# KiCad board SevenSegment.kicad_pcb
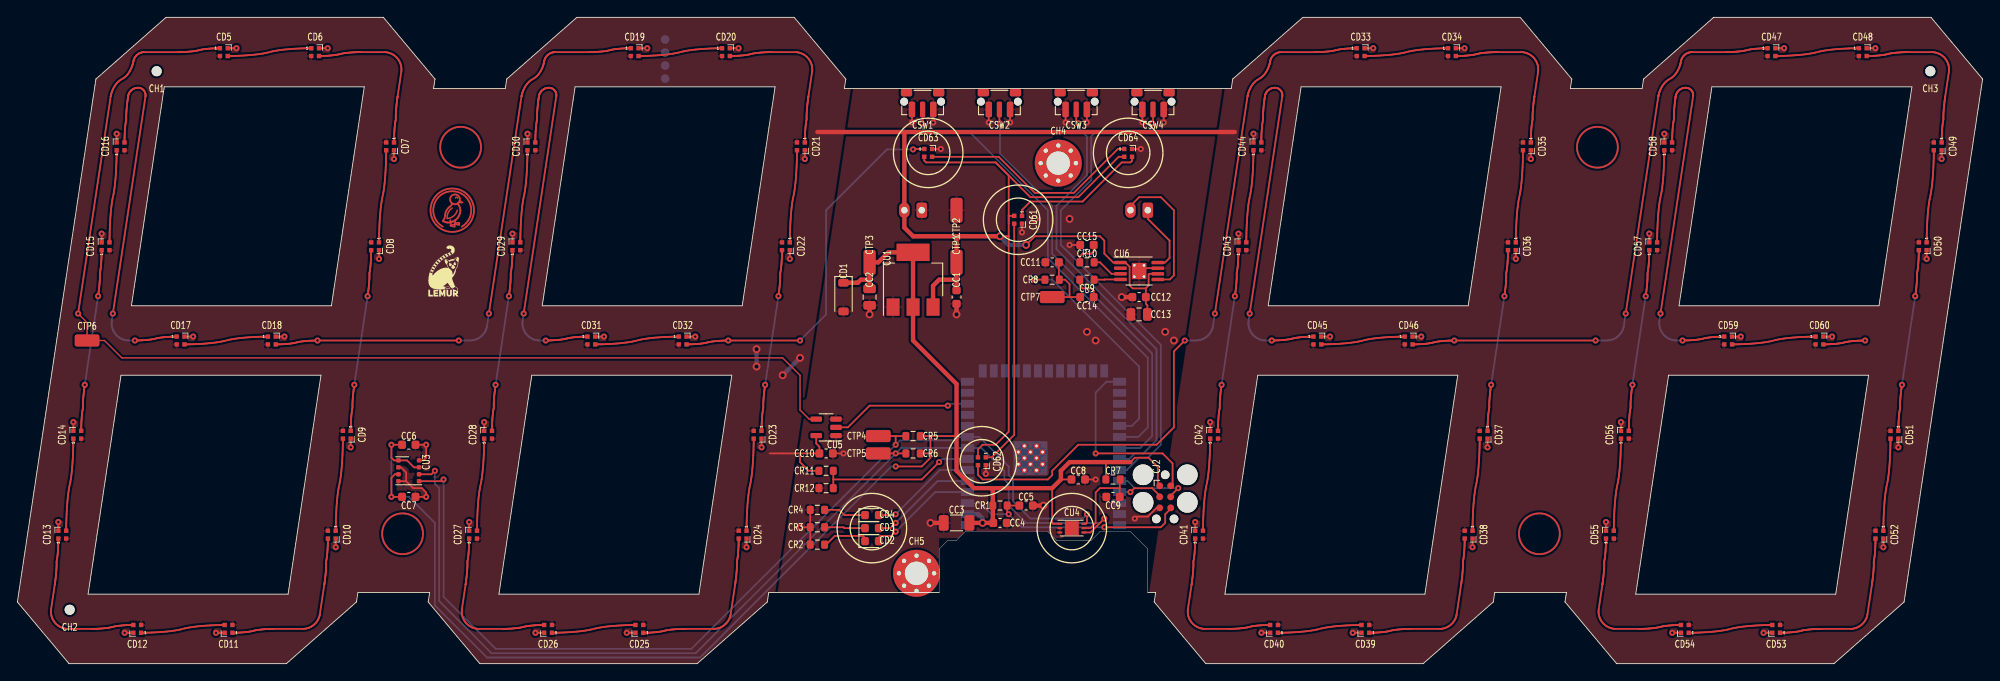
[diagram p0: board, top side]
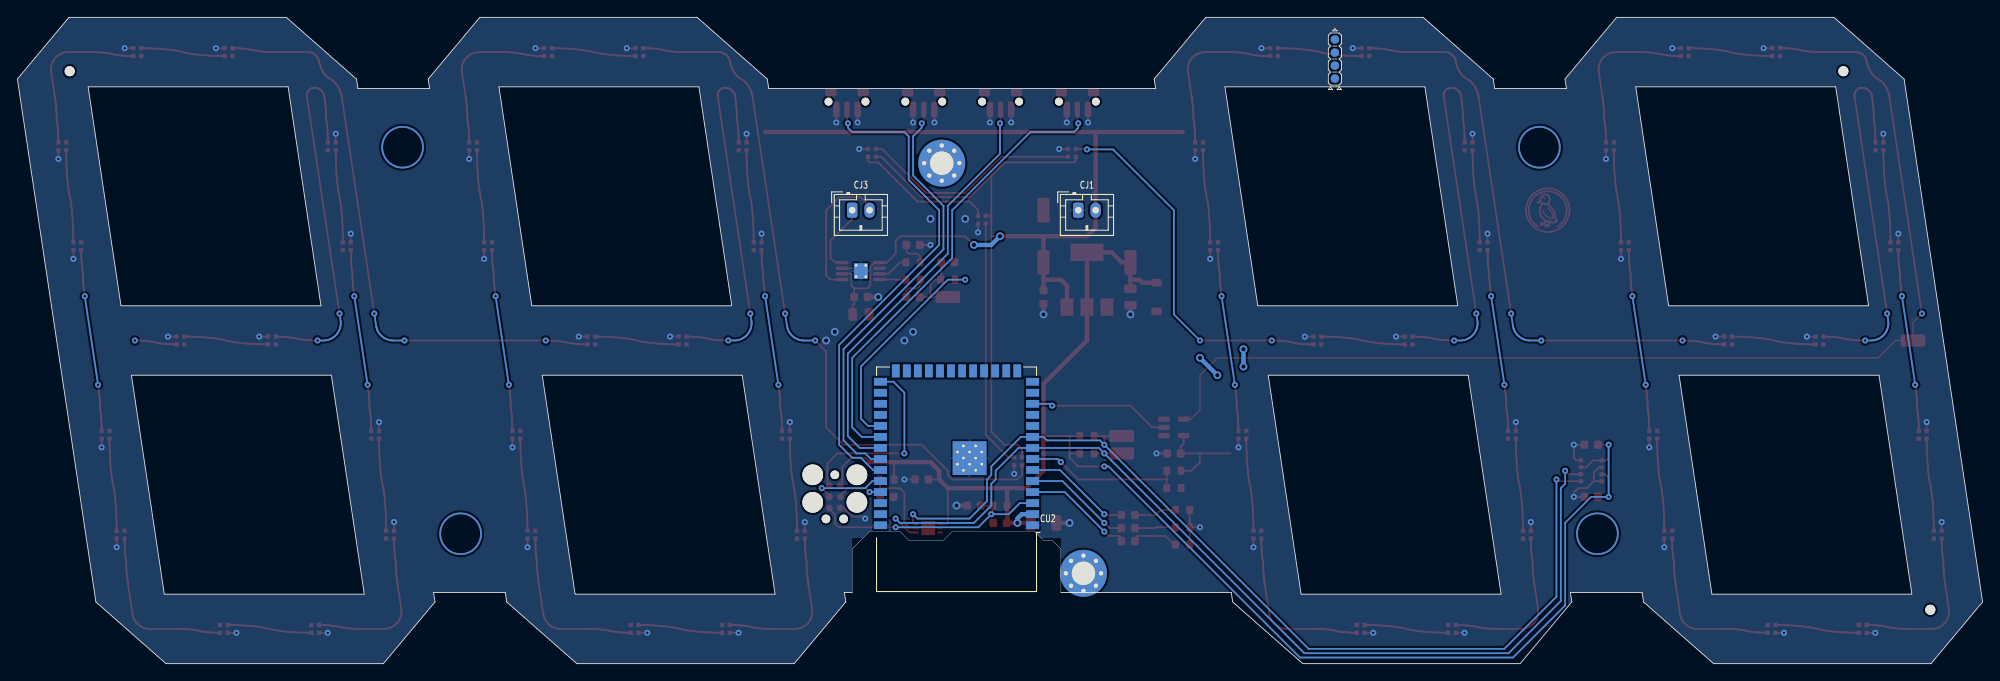
[diagram p1: board, bottom side, seen from below]

Outline 226.03 x 74.4 mm; copper layers: Top, Bottom. Coordinates in mm from the lower left corner of the outline.
Outline path: 0,7.1 5.94,0 30.94,0 39,7.1 39.17,8.2 47.42,8.2 47.25,7.1 53.19,0 78.19,0 86.25,7.1 86.41,8.2 106.02,8.2 106.02,13.2 107.02,14.2 108.02,14.2 109.02,15.2 118.52,15.2 119.52,14.2 123.52,14.2 124.52,15.2 128.01,15.2 130.01,13.2 130.01,8.2 130.91,8.2 130.75,7.1 136.69,0 161.69,0 169.75,7.1 169.91,8.2 178.17,8.2 178,7.1 183.94,0 208.94,0 217,7.1 226.03,67.3 220.09,74.4 195.09,74.4 187.03,67.3 186.87,66.2 178.62,66.2 178.78,67.3 172.84,74.4 147.84,74.4 139.78,67.3 139.62,66.2 95.12,66.2 95.28,67.3 89.34,74.4 64.34,74.4 56.28,67.3 56.12,66.2 47.86,66.2 48.03,67.3 42.09,74.4 17.09,74.4 9.03,67.3 0,7.1 ; 8.14,8 11.92,33.2 34.92,33.2 31.14,8 8.14,8 ; 13.11,41.2 16.89,66.4 39.89,66.4 36.11,41.2 13.11,41.2 ; 55.38,8 59.16,33.2 82.16,33.2 78.38,8 55.38,8 ; 60.37,41.2 64.15,66.4 87.14,66.4 83.37,41.2 60.37,41.2 ; 138.88,8 142.66,33.2 165.66,33.2 161.88,8 138.88,8 ; 143.87,41.2 147.65,66.4 170.65,66.4 166.87,41.2 143.87,41.2 ; 186.13,8 189.92,33.2 212.92,33.2 209.13,8 186.13,8 ; 191.12,41.2 194.89,66.4 217.89,66.4 214.12,41.2 191.12,41.2
Stack: Top 0.035mm / dielectric 1.51mm FR4 er 4.5 / Bottom 0.035mm

## Placement (name value [footprint] x y rotation side)
CC1  -  [C_0603_1608Metric]  108.02 42.2 270 top
CC2  -  [C_0805_2012Metric]  98.02 42.2 270 top
CC3  -  [C_1206_3216Metric]  108.02 16.2 180 top
CC4  -  [C_0603_1608Metric]  113.02 16.2 0 top
CC5  -  [C_0603_1608Metric]  116.02 18.2 0 top
CC6  -  [C_0603_1608Metric]  45.02 25.2 0 top
CC7  -  [C_0603_1608Metric]  45.02 19.2 0 top
CC8  -  [C_0603_1608Metric]  122.02 21.2 0 top
CC9  -  [C_0603_1608Metric]  126.02 19.2 180 top
CC10  -  [C_0603_1608Metric]  93.02 24.2 0 top
CC11  -  [C_0603_1608Metric]  119.02 46.2 180 top
CC12  -  [C_0603_1608Metric]  129.01 42.2 180 top
CC13  -  [C_0805_2012Metric]  129.01 40.2 180 top
CC14  -  [C_0603_1608Metric]  123.02 42.2 180 top
CC15  -  [C_0603_1608Metric]  123.02 48.2 180 top
CD1  BZT52C3V6 (SMC(Sangdest Microelectronicstronic (Nanjing))) - 5?A@1V 90? Single 3.6V~3.8V 350mW 3.4V SOD-123 Zener Diodes ROHS  [D_SOD-123]  95.02 42.2 270 top
CD2  KT-0603R (Hubei KENTO Elec) - Red 615~630nm 1.9~2.2V 0603 Light Emitting Diodes (LED) RoHS  [LED_0603_1608Metric]  98.28 14.1 0 top
CD3  -  [LED_0603_1608Metric]  98.28 15.6 0 top
CD4  -  [LED_0603_1608Metric]  98.28 17.1 0 top
CD5  SK6805-EC15 (Opsco Optoelectronics)  [LED_SK6812_EC15_1.5x1.5mm]  23.75 70.4 0 top
CD6  SK6805-EC15 (Opsco Optoelectronics)  [LED_SK6812_EC15_1.5x1.5mm]  34.25 70.4 0 top
CD7  SK6805-EC15 (Opsco Optoelectronics)  [LED_SK6812_EC15_1.5x1.5mm]  42.87 59.55 270 top
CD8  SK6805-EC15 (Opsco Optoelectronics)  [LED_SK6812_EC15_1.5x1.5mm]  41.14 48.05 270 top
CD9  SK6805-EC15 (Opsco Optoelectronics)  [LED_SK6812_EC15_1.5x1.5mm]  37.89 26.35 270 top
CD10  SK6805-EC15 (Opsco Optoelectronics)  [LED_SK6812_EC15_1.5x1.5mm]  36.16 14.85 270 top
CD11  SK6805-EC15 (Opsco Optoelectronics)  [LED_SK6812_EC15_1.5x1.5mm]  24.28 4 180 top
CD12  SK6805-EC15 (Opsco Optoelectronics)  [LED_SK6812_EC15_1.5x1.5mm]  13.78 4 180 top
CD13  SK6805-EC15 (Opsco Optoelectronics)  [LED_SK6812_EC15_1.5x1.5mm]  5.16 14.85 90 top
CD14  SK6805-EC15 (Opsco Optoelectronics)  [LED_SK6812_EC15_1.5x1.5mm]  6.89 26.35 90 top
CD15  SK6805-EC15 (Opsco Optoelectronics)  [LED_SK6812_EC15_1.5x1.5mm]  10.14 48.05 90 top
CD16  SK6805-EC15 (Opsco Optoelectronics)  [LED_SK6812_EC15_1.5x1.5mm]  11.87 59.55 90 top
CD17  SK6805-EC15 (Opsco Optoelectronics)  [LED_SK6812_EC15_1.5x1.5mm]  18.77 37.2 0 top
CD18  SK6805-EC15 (Opsco Optoelectronics)  [LED_SK6812_EC15_1.5x1.5mm]  29.27 37.2 0 top
CD19  SK6805-EC15 (Opsco Optoelectronics)  [LED_SK6812_EC15_1.5x1.5mm]  71 70.4 0 top
CD20  SK6805-EC15 (Opsco Optoelectronics)  [LED_SK6812_EC15_1.5x1.5mm]  81.5 70.4 0 top
CD21  SK6805-EC15 (Opsco Optoelectronics)  [LED_SK6812_EC15_1.5x1.5mm]  90.12 59.55 270 top
CD22  SK6805-EC15 (Opsco Optoelectronics)  [LED_SK6812_EC15_1.5x1.5mm]  88.39 48.05 270 top
CD23  SK6805-EC15 (Opsco Optoelectronics)  [LED_SK6812_EC15_1.5x1.5mm]  85.14 26.35 270 top
CD24  SK6805-EC15 (Opsco Optoelectronics)  [LED_SK6812_EC15_1.5x1.5mm]  83.41 14.85 270 top
CD25  SK6805-EC15 (Opsco Optoelectronics)  [LED_SK6812_EC15_1.5x1.5mm]  71.53 4 180 top
CD26  SK6805-EC15 (Opsco Optoelectronics)  [LED_SK6812_EC15_1.5x1.5mm]  61.04 4 180 top
CD27  SK6805-EC15 (Opsco Optoelectronics)  [LED_SK6812_EC15_1.5x1.5mm]  52.41 14.85 90 top
CD28  SK6805-EC15 (Opsco Optoelectronics)  [LED_SK6812_EC15_1.5x1.5mm]  54.14 26.35 90 top
CD29  SK6805-EC15 (Opsco Optoelectronics)  [LED_SK6812_EC15_1.5x1.5mm]  57.39 48.05 90 top
CD30  SK6805-EC15 (Opsco Optoelectronics)  [LED_SK6812_EC15_1.5x1.5mm]  59.12 59.55 90 top
CD31  SK6805-EC15 (Opsco Optoelectronics)  [LED_SK6812_EC15_1.5x1.5mm]  66.02 37.2 0 top
CD32  SK6805-EC15 (Opsco Optoelectronics)  [LED_SK6812_EC15_1.5x1.5mm]  76.52 37.2 0 top
CD33  SK6805-EC15 (Opsco Optoelectronics)  [LED_SK6812_EC15_1.5x1.5mm]  154.5 70.4 0 top
CD34  SK6805-EC15 (Opsco Optoelectronics)  [LED_SK6812_EC15_1.5x1.5mm]  165 70.4 0 top
CD35  SK6805-EC15 (Opsco Optoelectronics)  [LED_SK6812_EC15_1.5x1.5mm]  173.62 59.55 270 top
CD36  SK6805-EC15 (Opsco Optoelectronics)  [LED_SK6812_EC15_1.5x1.5mm]  171.89 48.05 270 top
CD37  SK6805-EC15 (Opsco Optoelectronics)  [LED_SK6812_EC15_1.5x1.5mm]  168.64 26.35 270 top
CD38  SK6805-EC15 (Opsco Optoelectronics)  [LED_SK6812_EC15_1.5x1.5mm]  166.91 14.85 270 top
CD39  SK6805-EC15 (Opsco Optoelectronics)  [LED_SK6812_EC15_1.5x1.5mm]  155.03 4 180 top
CD40  SK6805-EC15 (Opsco Optoelectronics)  [LED_SK6812_EC15_1.5x1.5mm]  144.53 4 180 top
CD41  SK6805-EC15 (Opsco Optoelectronics)  [LED_SK6812_EC15_1.5x1.5mm]  135.91 14.85 90 top
CD42  SK6805-EC15 (Opsco Optoelectronics)  [LED_SK6812_EC15_1.5x1.5mm]  137.64 26.35 90 top
CD43  SK6805-EC15 (Opsco Optoelectronics)  [LED_SK6812_EC15_1.5x1.5mm]  140.89 48.05 90 top
CD44  SK6805-EC15 (Opsco Optoelectronics)  [LED_SK6812_EC15_1.5x1.5mm]  142.62 59.55 90 top
CD45  SK6805-EC15 (Opsco Optoelectronics)  [LED_SK6812_EC15_1.5x1.5mm]  149.51 37.2 0 top
CD46  SK6805-EC15 (Opsco Optoelectronics)  [LED_SK6812_EC15_1.5x1.5mm]  160.01 37.2 0 top
CD47  SK6805-EC15 (Opsco Optoelectronics)  [LED_SK6812_EC15_1.5x1.5mm]  201.75 70.4 0 top
CD48  SK6805-EC15 (Opsco Optoelectronics)  [LED_SK6812_EC15_1.5x1.5mm]  212.25 70.4 0 top
CD49  SK6805-EC15 (Opsco Optoelectronics)  [LED_SK6812_EC15_1.5x1.5mm]  220.87 59.55 270 top
CD50  SK6805-EC15 (Opsco Optoelectronics)  [LED_SK6812_EC15_1.5x1.5mm]  219.14 48.05 270 top
CD51  SK6805-EC15 (Opsco Optoelectronics)  [LED_SK6812_EC15_1.5x1.5mm]  215.89 26.35 270 top
CD52  SK6805-EC15 (Opsco Optoelectronics)  [LED_SK6812_EC15_1.5x1.5mm]  214.16 14.85 270 top
CD53  SK6805-EC15 (Opsco Optoelectronics)  [LED_SK6812_EC15_1.5x1.5mm]  202.28 4 180 top
CD54  SK6805-EC15 (Opsco Optoelectronics)  [LED_SK6812_EC15_1.5x1.5mm]  191.78 4 180 top
CD55  SK6805-EC15 (Opsco Optoelectronics)  [LED_SK6812_EC15_1.5x1.5mm]  183.16 14.85 90 top
CD56  SK6805-EC15 (Opsco Optoelectronics)  [LED_SK6812_EC15_1.5x1.5mm]  184.89 26.35 90 top
CD57  SK6805-EC15 (Opsco Optoelectronics)  [LED_SK6812_EC15_1.5x1.5mm]  188.14 48.05 90 top
CD58  SK6805-EC15 (Opsco Optoelectronics)  [LED_SK6812_EC15_1.5x1.5mm]  189.87 59.55 90 top
CD59  SK6805-EC15 (Opsco Optoelectronics)  [LED_SK6812_EC15_1.5x1.5mm]  196.76 37.2 0 top
CD60  SK6805-EC15 (Opsco Optoelectronics)  [LED_SK6812_EC15_1.5x1.5mm]  207.26 37.2 0 top
CD61  SK6805-EC15 (Opsco Optoelectronics)  [LED_SK6812_EC15_1.5x1.5mm]  115.1 51.1 270 top
CD62  SK6805-EC15 (Opsco Optoelectronics)  [LED_SK6812_EC15_1.5x1.5mm]  110.93 23.3 270 top
CD63  SK6805-EC15 (Opsco Optoelectronics)  [LED_SK6812_EC15_1.5x1.5mm]  104.75 58.8 0 top
CD64  SK6805-EC15 (Opsco Optoelectronics)  [LED_SK6812_EC15_1.5x1.5mm]  127.75 58.8 0 top
CH1  -  [JlcToolingHole_1.152mm]  16.02 68.2 0 top
CH2  -  [JlcToolingHole_1.152mm]  6.02 6.2 0 top
CH3  -  [JlcToolingHole_1.152mm]  220.01 68.2 0 top
CH4  M2.5  [MountingHole_2.7mm_M2.5_Pad_Via]  119.72 57.62 0 top
CH5  M2.5  [MountingHole_2.7mm_M2.5_Pad_Via]  103.42 10.4 0 top
CJ1  B2B-PH-K (JST)  [JST_PH_B2B-PH-K_1x02_P2.00mm_Vertical]  104.02 52.2 180 bottom
CJ2  -  [Tag-Connect_TC2030-IDC-FP_2x03_P1.27mm_Vertical]  132.01 19.2 270 top
CJ3  B2B-PH-K (JST)  [JST_PH_B2B-PH-K_1x02_P2.00mm_Vertical]  130.01 52.2 180 bottom
CR1  -  [R_0603_1608Metric]  113.02 18.2 0 top
CR2  -  [R_0603_1608Metric]  92.02 13.7 180 top
CR3  -  [R_0603_1608Metric]  92.02 15.7 180 top
CR4  -  [R_0603_1608Metric]  92.02 17.7 180 top
CR5  -  [R_0603_1608Metric]  103.02 26.2 180 top
CR6  -  [R_0603_1608Metric]  103.02 24.2 180 top
CR7  -  [R_0603_1608Metric]  126.02 21.2 0 top
CR8  -  [R_0603_1608Metric]  119.02 44.2 0 top
CR9  -  [R_0603_1608Metric]  123.02 44.2 0 top
CR10  -  [R_0603_1608Metric]  123.02 46.2 0 top
CR11  -  [R_0603_1608Metric]  93.02 22.2 0 top
CR12  -  [R_0603_1608Metric]  93.02 20.2 180 top
CSW1  SKRTLAE010 (Alps Alpine)  [SW_Push_1P1T-MP_NO_Horizontal_Alps_SKRTLAE010]  104.11 64.7 180 top
CSW2  SKRTLAE010 (Alps Alpine)  [SW_Push_1P1T-MP_NO_Horizontal_Alps_SKRTLAE010]  112.95 64.7 180 top
CSW3  SKRTLAE010 (Alps Alpine)  [SW_Push_1P1T-MP_NO_Horizontal_Alps_SKRTLAE010]  121.78 64.7 180 top
CSW4  SKRTLAE010 (Alps Alpine)  [SW_Push_1P1T-MP_NO_Horizontal_Alps_SKRTLAE010]  130.62 64.7 180 top
CTP1  5015 (Keystone) - pwr  [TestPoint_TE_RCT_0805]  108.02 46.2 90 top
CTP2  5015 (Keystone) - gnd  [TestPoint_TE_RCT_0805]  108.02 52.2 90 top
CTP3  5015 (Keystone) - v3v3  [TestPoint_TE_RCT_0805]  98.02 46.2 90 top
CTP4  5015 (Keystone) - i2c_chain_0.scl  [TestPoint_TE_RCT_0805]  99.02 26.2 0 top
CTP5  5015 (Keystone) - i2c_tp._io_sda_link  [TestPoint_TE_RCT_0805]  99.02 24.2 0 top
CTP6  5015 (Keystone) - _rgb_shift_output_link  [TestPoint_TE_RCT_0805]  8.02 37.2 0 top
CTP7  5015 (Keystone) - spk_chain_1  [TestPoint_TE_RCT_0805]  119.02 42.2 0 top
CU1  LDL1117S33R (STMicroelectronics)  [SOT-223-3_TabPin2]  103.02 44.2 90 top
CU2  ESP32-S3-WROOM-1-N16R8 (Espressif Systems)  [ESP32-S3-WROOM-1]  118.02 21.2 0 bottom
CU3  BME680 (Bosch Sensortec)  [Bosch_LGA-8_3x3mm_P0.8mm_ClockwisePinNumbering]  45.02 22.2 270 top
CU4  BH1750 (Rohm Semiconductor)  [HVSOF6]  121.28 15.6 0 top
CU5  74AHCT1G125W5-7 (Diodes Incorporated)  [SOT-23-5]  93.02 27.2 180 top
CU6  TPA2005D1 (Texas Instruments)  [MSOP-8-1EP_3x3mm_P0.65mm_EP1.68x1.88mm_ThermalVias]  129.01 45.2 0 top
UU4  Duck  [Symbol_Duckling]  50.02 52.2 0 top
UU5  Lemur  [Symbol_LemurSmall]  49.02 45.2 0 top
UU6  IdDots4  [Indicator_IdDots_4]  74.5 69.6 90 bottom

## Library data of the parts
CC1 = -: edg_part: CC0603KRX7R9BB104 (YAGEO); edg_path: reg_3v3.in_cap.cap; edg_refdes: CC1; edg_short_path: reg_3v3.in_cap
CC2 = -: edg_part: CL21A475KAQNNNE (Samsung Electro-Mechanics); edg_path: reg_3v3.out_cap.cap; edg_refdes: CC2; edg_short_path: reg_3v3.out_cap
CC3 = -: edg_part: CL31A226KPHNNNE (Samsung Electro-Mechanics); edg_path: mcu.vcc_cap0.cap; edg_refdes: CC3; edg_short_path: mcu.vcc_cap0
CC4 = -: edg_part: CC0603KRX7R9BB104 (YAGEO); edg_path: mcu.vcc_cap1.cap; edg_refdes: CC4; edg_short_path: mcu.vcc_cap1
CC5 = -: edg_part: CL10A105KB8NNNC (Samsung Electro-Mechanics); edg_path: mcu.en_pull.rc.c; edg_refdes: CC5; edg_short_path: mcu.en_pull.c
CC6 = -: edg_part: CC0603KRX7R9BB104 (YAGEO); edg_path: env.vdd_cap.cap; edg_refdes: CC6; edg_short_path: env.vdd_cap
CC7 = -: edg_part: CC0603KRX7R9BB104 (YAGEO); edg_path: env.vddio_cap.cap; edg_refdes: CC7; edg_short_path: env.vddio_cap
CC8 = -: edg_part: CC0603KRX7R9BB104 (YAGEO); edg_path: als.vcc_cap.cap; edg_refdes: CC8; edg_short_path: als.vcc_cap
CC9 = -: edg_part: CL10A105KB8NNNC (Samsung Electro-Mechanics); edg_path: als.dvi_cap; edg_refdes: CC9; edg_short_path: als.dvi_cap
CC10 = -: edg_part: CC0603KRX7R9BB104 (YAGEO); edg_path: rgb_shift.vdd_cap.cap; edg_refdes: CC10; edg_short_path: rgb_shift.vdd_cap
CC11 = -: edg_part: CL10B473KB8NNNC (Samsung Electro-Mechanics); edg_path: spk_dac.rc.c; edg_refdes: CC11; edg_short_path: spk_dac.c
CC12 = -: edg_part: CC0603KRX7R9BB104 (YAGEO); edg_path: spk_drv.pwr_cap.cap; edg_refdes: CC12; edg_short_path: spk_drv.pwr_cap
CC13 = -: edg_part: CL21A475KAQNNNE (Samsung Electro-Mechanics); edg_path: spk_drv.bulk_cap.cap; edg_refdes: CC13; edg_short_path: spk_drv.bulk_cap
CC14 = -: edg_part: CL10A105KB8NNNC (Samsung Electro-Mechanics); edg_path: spk_drv.inp_cap; edg_refdes: CC14; edg_short_path: spk_drv.inp_cap
CC15 = -: edg_part: CL10A105KB8NNNC (Samsung Electro-Mechanics); edg_path: spk_drv.inn_cap; edg_refdes: CC15; edg_short_path: spk_drv.inn_cap
CD1 = -: edg_part: BZT52C3V6 (SMC(Sangdest Microelectronicstronic (Nanjing))); edg_path: prot_3v3.diode; edg_refdes: CD1; edg_short_path: prot_3v3
CD2 = -: edg_part: KT-0603R (Hubei KENTO Elec); edg_path: ledr.package; edg_refdes: CD2; edg_short_path: ledr.package
CD3 = -: edg_part: 19-217/GHC-YR1S2/3T (Everlight Elec); edg_path: ledg.package; edg_refdes: CD3; edg_short_path: ledg.package
CD4 = -: edg_part: 19-217/BHC-ZL1M2RY/3T (Everlight Elec); edg_path: ledb.package; edg_refdes: CD4; edg_short_path: ledb.package
CD5 = -: edg_path: digit[0].led[0]; edg_refdes: CD5; edg_short_path: digit[0].led[0]
CD6 = -: edg_path: digit[0].led[1]; edg_refdes: CD6; edg_short_path: digit[0].led[1]
CD7 = -: edg_path: digit[0].led[2]; edg_refdes: CD7; edg_short_path: digit[0].led[2]
CD8 = -: edg_path: digit[0].led[3]; edg_refdes: CD8; edg_short_path: digit[0].led[3]
CD9 = -: edg_path: digit[0].led[4]; edg_refdes: CD9; edg_short_path: digit[0].led[4]
CD10 = -: edg_path: digit[0].led[5]; edg_refdes: CD10; edg_short_path: digit[0].led[5]
CD11 = -: edg_path: digit[0].led[6]; edg_refdes: CD11; edg_short_path: digit[0].led[6]
CD12 = -: edg_path: digit[0].led[7]; edg_refdes: CD12; edg_short_path: digit[0].led[7]
CD13 = -: edg_path: digit[0].led[8]; edg_refdes: CD13; edg_short_path: digit[0].led[8]
CD14 = -: edg_path: digit[0].led[9]; edg_refdes: CD14; edg_short_path: digit[0].led[9]
CD15 = -: edg_path: digit[0].led[10]; edg_refdes: CD15; edg_short_path: digit[0].led[10]
CD16 = -: edg_path: digit[0].led[11]; edg_refdes: CD16; edg_short_path: digit[0].led[11]
CD17 = -: edg_path: digit[0].led[12]; edg_refdes: CD17; edg_short_path: digit[0].led[12]
CD18 = -: edg_path: digit[0].led[13]; edg_refdes: CD18; edg_short_path: digit[0].led[13]
CD19 = -: edg_path: digit[1].led[0]; edg_refdes: CD19; edg_short_path: digit[1].led[0]
CD20 = -: edg_path: digit[1].led[1]; edg_refdes: CD20; edg_short_path: digit[1].led[1]
CD21 = -: edg_path: digit[1].led[2]; edg_refdes: CD21; edg_short_path: digit[1].led[2]
CD22 = -: edg_path: digit[1].led[3]; edg_refdes: CD22; edg_short_path: digit[1].led[3]
CD23 = -: edg_path: digit[1].led[4]; edg_refdes: CD23; edg_short_path: digit[1].led[4]
CD24 = -: edg_path: digit[1].led[5]; edg_refdes: CD24; edg_short_path: digit[1].led[5]
CD25 = -: edg_path: digit[1].led[6]; edg_refdes: CD25; edg_short_path: digit[1].led[6]
CD26 = -: edg_path: digit[1].led[7]; edg_refdes: CD26; edg_short_path: digit[1].led[7]
CD27 = -: edg_path: digit[1].led[8]; edg_refdes: CD27; edg_short_path: digit[1].led[8]
CD28 = -: edg_path: digit[1].led[9]; edg_refdes: CD28; edg_short_path: digit[1].led[9]
CD29 = -: edg_path: digit[1].led[10]; edg_refdes: CD29; edg_short_path: digit[1].led[10]
CD30 = -: edg_path: digit[1].led[11]; edg_refdes: CD30; edg_short_path: digit[1].led[11]
CD31 = -: edg_path: digit[1].led[12]; edg_refdes: CD31; edg_short_path: digit[1].led[12]
CD32 = -: edg_path: digit[1].led[13]; edg_refdes: CD32; edg_short_path: digit[1].led[13]
CD33 = -: edg_path: digit[2].led[0]; edg_refdes: CD33; edg_short_path: digit[2].led[0]
CD34 = -: edg_path: digit[2].led[1]; edg_refdes: CD34; edg_short_path: digit[2].led[1]
CD35 = -: edg_path: digit[2].led[2]; edg_refdes: CD35; edg_short_path: digit[2].led[2]
CD36 = -: edg_path: digit[2].led[3]; edg_refdes: CD36; edg_short_path: digit[2].led[3]
CD37 = -: edg_path: digit[2].led[4]; edg_refdes: CD37; edg_short_path: digit[2].led[4]
CD38 = -: edg_path: digit[2].led[5]; edg_refdes: CD38; edg_short_path: digit[2].led[5]
CD39 = -: edg_path: digit[2].led[6]; edg_refdes: CD39; edg_short_path: digit[2].led[6]
CD40 = -: edg_path: digit[2].led[7]; edg_refdes: CD40; edg_short_path: digit[2].led[7]
CD41 = -: edg_path: digit[2].led[8]; edg_refdes: CD41; edg_short_path: digit[2].led[8]
CD42 = -: edg_path: digit[2].led[9]; edg_refdes: CD42; edg_short_path: digit[2].led[9]
CD43 = -: edg_path: digit[2].led[10]; edg_refdes: CD43; edg_short_path: digit[2].led[10]
CD44 = -: edg_path: digit[2].led[11]; edg_refdes: CD44; edg_short_path: digit[2].led[11]
CD45 = -: edg_path: digit[2].led[12]; edg_refdes: CD45; edg_short_path: digit[2].led[12]
CD46 = -: edg_path: digit[2].led[13]; edg_refdes: CD46; edg_short_path: digit[2].led[13]
CD47 = -: edg_path: digit[3].led[0]; edg_refdes: CD47; edg_short_path: digit[3].led[0]
CD48 = -: edg_path: digit[3].led[1]; edg_refdes: CD48; edg_short_path: digit[3].led[1]
CD49 = -: edg_path: digit[3].led[2]; edg_refdes: CD49; edg_short_path: digit[3].led[2]
CD50 = -: edg_path: digit[3].led[3]; edg_refdes: CD50; edg_short_path: digit[3].led[3]
CD51 = -: edg_path: digit[3].led[4]; edg_refdes: CD51; edg_short_path: digit[3].led[4]
CD52 = -: edg_path: digit[3].led[5]; edg_refdes: CD52; edg_short_path: digit[3].led[5]
CD53 = -: edg_path: digit[3].led[6]; edg_refdes: CD53; edg_short_path: digit[3].led[6]
CD54 = -: edg_path: digit[3].led[7]; edg_refdes: CD54; edg_short_path: digit[3].led[7]
CD55 = -: edg_path: digit[3].led[8]; edg_refdes: CD55; edg_short_path: digit[3].led[8]
CD56 = -: edg_path: digit[3].led[9]; edg_refdes: CD56; edg_short_path: digit[3].led[9]
CD57 = -: edg_path: digit[3].led[10]; edg_refdes: CD57; edg_short_path: digit[3].led[10]
CD58 = -: edg_path: digit[3].led[11]; edg_refdes: CD58; edg_short_path: digit[3].led[11]
CD59 = -: edg_path: digit[3].led[12]; edg_refdes: CD59; edg_short_path: digit[3].led[12]
CD60 = -: edg_path: digit[3].led[13]; edg_refdes: CD60; edg_short_path: digit[3].led[13]
CD61 = -: edg_path: center.led[0]; edg_refdes: CD61; edg_short_path: center.led[0]
CD62 = -: edg_path: center.led[1]; edg_refdes: CD62; edg_short_path: center.led[1]
CD63 = -: edg_path: meta.led[0]; edg_refdes: CD63; edg_short_path: meta.led[0]
CD64 = -: edg_path: meta.led[1]; edg_refdes: CD64; edg_short_path: meta.led[1]
CH1 = -: edg_path: jlc_th.th1; edg_refdes: CH1; edg_short_path: jlc_th.th1
CH2 = -: edg_path: jlc_th.th2; edg_refdes: CH2; edg_short_path: jlc_th.th2
CH3 = -: edg_path: jlc_th.th3; edg_refdes: CH3; edg_short_path: jlc_th.th3
CH4 = -: edg_path: mount[0]; edg_refdes: CH4; edg_short_path: mount[0]
CH5 = -: edg_path: mount[1]; edg_refdes: CH5; edg_short_path: mount[1]
CJ1 = -: edg_path: pwr_conn.conn; edg_refdes: CJ1; edg_short_path: pwr_conn
CJ2 = -: edg_path: mcu.prog.conn; edg_refdes: CJ2; edg_short_path: mcu.prog
CJ3 = -: edg_path: spk.conn; edg_refdes: CJ3; edg_short_path: spk
CR1 = -: edg_part: 0603WAF1002T5E (UNI-ROYAL(Uniroyal Elec)); edg_path: mcu.en_pull.rc.r; edg_refdes: CR1; edg_short_path: mcu.en_pull.r
CR2 = -: edg_part: 0603WAF1001T5E (UNI-ROYAL(Uniroyal Elec)); edg_path: ledr.res; edg_refdes: CR2; edg_short_path: ledr.res
CR3 = -: edg_part: 0603WAF1001T5E (UNI-ROYAL(Uniroyal Elec)); edg_path: ledg.res; edg_refdes: CR3; edg_short_path: ledg.res
CR4 = -: edg_part: 0603WAF1001T5E (UNI-ROYAL(Uniroyal Elec)); edg_path: ledb.res; edg_refdes: CR4; edg_short_path: ledb.res
CR5 = -: edg_part: 0603WAF4701T5E (UNI-ROYAL(Uniroyal Elec)); edg_path: i2c_pull.scl_res.res; edg_refdes: CR5; edg_short_path: i2c_pull.scl_res
CR6 = -: edg_part: 0603WAF4701T5E (UNI-ROYAL(Uniroyal Elec)); edg_path: i2c_pull.sda_res.res; edg_refdes: CR6; edg_short_path: i2c_pull.sda_res
CR7 = -: edg_part: 0603WAF1001T5E (UNI-ROYAL(Uniroyal Elec)); edg_path: als.dvi_res; edg_refdes: CR7; edg_short_path: als.dvi_res
CR8 = -: edg_part: 0603WAF1001T5E (UNI-ROYAL(Uniroyal Elec)); edg_path: spk_dac.rc.r; edg_refdes: CR8; edg_short_path: spk_dac.r
CR9 = -: edg_part: 0603WAF3002T5E (UNI-ROYAL(Uniroyal Elec)); edg_path: spk_drv.inp_res; edg_refdes: CR9; edg_short_path: spk_drv.inp_res
CR10 = -: edg_part: 0603WAF3002T5E (UNI-ROYAL(Uniroyal Elec)); edg_path: spk_drv.inn_res; edg_refdes: CR10; edg_short_path: spk_drv.inn_res
CR11 = -: edg_part: 0603WAF1002T5E (UNI-ROYAL(Uniroyal Elec)); edg_path: v5v_sense.div.top_res; edg_refdes: CR11; edg_short_path: v5v_sense.top_res
CR12 = -: edg_part: 0603WAF1002T5E (UNI-ROYAL(Uniroyal Elec)); edg_path: v5v_sense.div.bottom_res; edg_refdes: CR12; edg_short_path: v5v_sense.bottom_res
CSW1 = -: edg_path: sw[0].package; edg_refdes: CSW1; edg_short_path: sw[0]
CSW2 = -: edg_path: sw[1].package; edg_refdes: CSW2; edg_short_path: sw[1]
CSW3 = -: edg_path: sw[2].package; edg_refdes: CSW3; edg_short_path: sw[2]
CSW4 = -: edg_path: sw[3].package; edg_refdes: CSW4; edg_short_path: sw[3]
CTP1 = -: edg_part: 5015 (Keystone); edg_path: tp_pwr.tp; edg_refdes: CTP1; edg_short_path: tp_pwr
CTP2 = -: edg_part: 5015 (Keystone); edg_path: tp_gnd.tp; edg_refdes: CTP2; edg_short_path: tp_gnd
CTP3 = -: edg_part: 5015 (Keystone); edg_path: tp_3v3.tp; edg_refdes: CTP3; edg_short_path: tp_3v3
CTP4 = -: edg_part: 5015 (Keystone); edg_path: i2c_tp.tp_scl.tp; edg_refdes: CTP4; edg_short_path: i2c_tp.tp_scl
CTP5 = -: edg_part: 5015 (Keystone); edg_path: i2c_tp.tp_sda.tp; edg_refdes: CTP5; edg_short_path: i2c_tp.tp_sda
CTP6 = -: edg_part: 5015 (Keystone); edg_path: rgb_tp.tp; edg_refdes: CTP6; edg_short_path: rgb_tp
CTP7 = -: edg_part: 5015 (Keystone); edg_path: spk_tp.tp; edg_refdes: CTP7; edg_short_path: spk_tp
CU1 = -: edg_path: reg_3v3.ic; edg_refdes: CU1; edg_short_path: reg_3v3.ic
CU2 = -: edg_path: mcu.ic; edg_refdes: CU2; edg_short_path: mcu.ic
CU3 = -: edg_path: env.ic; edg_refdes: CU3; edg_short_path: env.ic
CU4 = -: edg_path: als.ic; edg_refdes: CU4; edg_short_path: als.ic
CU5 = -: edg_path: rgb_shift.ic; edg_refdes: CU5; edg_short_path: rgb_shift.ic
CU6 = -: edg_path: spk_drv.ic; edg_refdes: CU6; edg_short_path: spk_drv.ic
UU4 = -: edg_path: duck; edg_refdes: UU4; edg_short_path: duck
UU5 = -: edg_path: lemur; edg_refdes: UU5; edg_short_path: lemur
UU6 = -: edg_path: id; edg_refdes: UU6; edg_short_path: id
